# Altium PCB 3LUN_v1.0.PcbDoc (part 2 of 2)
Units mil, origin at the board's own origin, x right, y up, seen from the top; angles counter-clockwise.
Board outline 3940 x 1580 mil, 2 copper layers (Top Layer, Bottom Layer); 129 components, 109 nets, 549 pads, 348 vias.
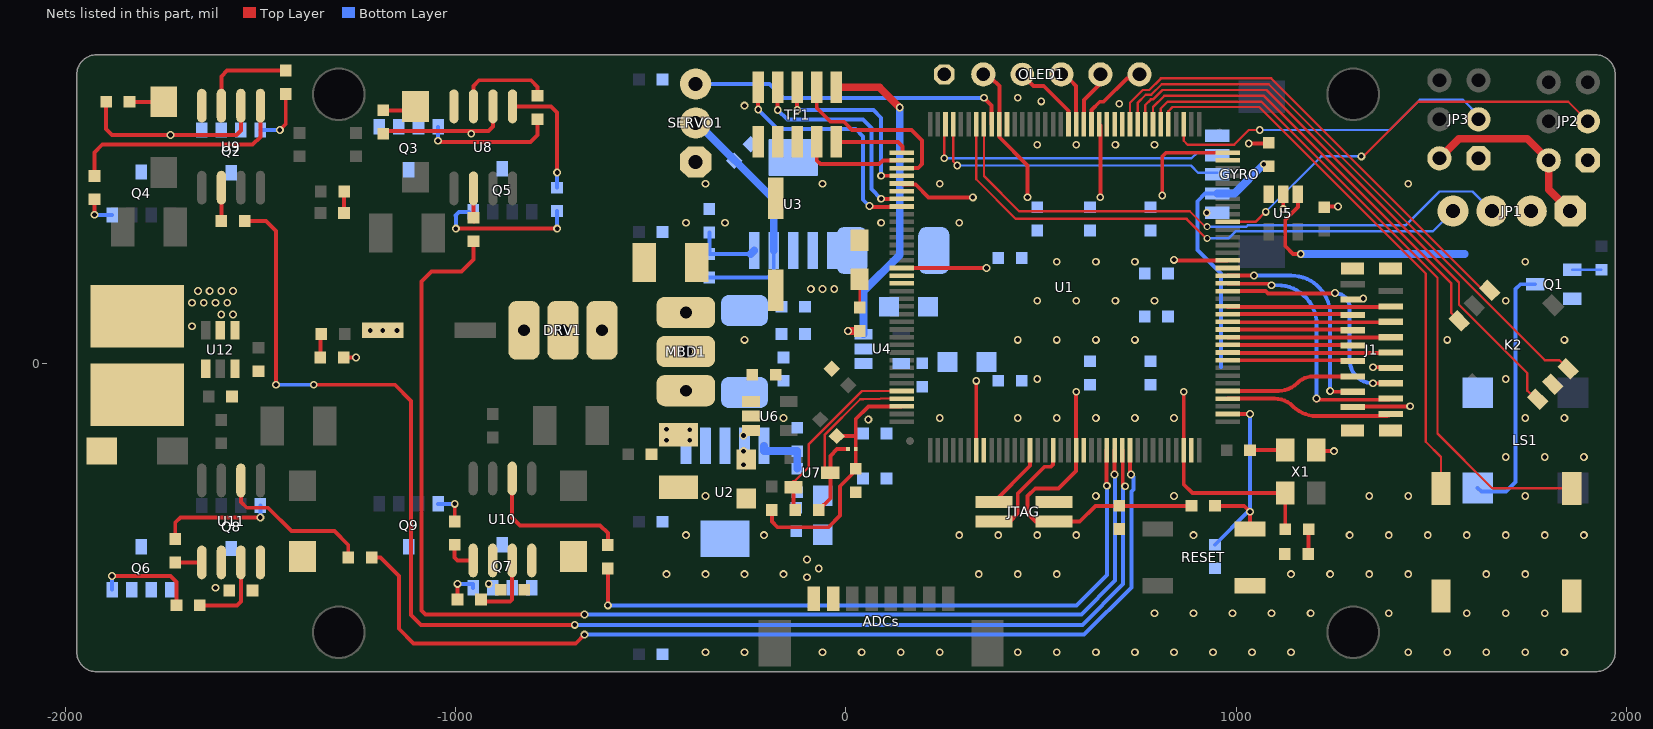
[diagram p2: the nets of this part, all layers, seen from the top]

## Via types
v1: diameter 20, hole 12, Top Layer to Bottom Layer, 344 vias
v2: diameter 18, hole 12, Top Layer to Bottom Layer, 2 vias
v3: diameter 31.5, hole 31.5, Top Layer to Bottom Layer, 1 vias
v4: diameter 43.31, hole 43.31, Top Layer to Bottom Layer, 1 vias

## Nets (pads, with @x,y where several pads share a name; then routed paths per layer and width w, separated by ;. In a path a pad name is that pad's centre, name@x,y a point inside that pad or via, vN(x,y) a via of type N, cw(c..) or ccw(c..) an arc to the next point about the centre after c; other vN are vias at no path point) (continued)
GND: ADCs.2 C3.1 C4.1 C5.1 C6.1 C7.1 C8.1 C9.1 C10.1 C11.1 C12.2 C13.2 C14.2 C20.2 C21.2 C22.1 C23.1 C24.1 C25.1 C26.1 C29.1 C30.2 C31.1 C32.1 C33.1 C34.1 C36.1 C38.1 C39.1 C40.1 C42.1 C43.1 Designator111.1 Designator112.1 Designator113.1 Designator114.1 Designator115.1 GYRO.1 GYRO.5 J1.0 J1.2 J1.7 J1.16 JP1.2 JP2.1 JP3.1 JTAG.3 K2.5 K3.2 K4.2 MCU1.2 OLED1.1 PWR_SERVO1.2 Q1.2 R5.2 R7.2 R14.2 RESET.1 SERVO1.1 TF1.1 TF1.3 TF1.5 U1.6@142.68,440.94 U1.17 U1.18 U1.44 U1.57 U1.71 U1.93 U1.107 U1.121 U1.134 U2.3 U2.6 U3.3 U3.6 U4.2 U5.2 U6.2 X1.2 | length 373
  Top Layer w10: v1(1031.83,562.83) 1075.07,562.83 1077.9,560 C36.1@1082.9,565 ; v1(1120,395) U5.2@1120,433.23 ; X1.2@1205,-222.44 1205,-224.94 v1(1250,-224.94) ; C38.1@1225,400 1225,401.57 v1(1260,401.57) ; J1.2@1297.76,-112.28 1297.76,-111.05 1445,-111.05 v1(1445,-110) ; v1(1350,-10) 1395,-10 J1.7@1395,-11.81
  other v1: -360,-740 -260,-740 -60,-740 40,-740 140,-740 240,-740 440,-740 540,-740 640,-740 740,-740 840,-740 940,-740 1040,-740 1140,-740 1440,-740 1540,-740 1640,-740 1740,-740 1840,-740 790,-640 890,-640 990,-640 1090,-640 1190,-640 1390,-640 1590,-640 1690,-640 1790,-640 -460,-540 -360,-540 -260,-540 -160,-540 340,-540 440,-540 540,-540 1140,-540 1240,-540 1340,-540 1440,-540 1640,-540 1740,-540 -410,-440 -210,-440 290,-440 390,-440 490,-440 590,-440 890,-440 1290,-440 1390,-440 1490,-440 1590,-440 1690,-440 1790,-440 1890,-440 -360,-340 640,-340 840,-340 1340,-340 1440,-340 1740,-340 1690,-240 1790,-240 1890,-240 57.29,-143.79 -160,-140 240,-140 440,-140 540,-140 640,-140 740,-140 840,-140 1740,-140 1840,-140 490,-40 1690,-40 -260,60 440,60 540,60 640,60 740,60 1540,60 1840,60 490,160 590,160 690,160 790,160 1690,160 1325,165.98 540,260 640,260 740,260 1740,260 -410,360 -310,360 90,360 290,360 924,385.79 -360,460 -60,460 240,460 1440,460 490,560 590,560 690,560 790,560 -260,660 699.93,665 500,670.92 440,680
GYRO_SCL: GYRO.2 U1.142 | length 795.6
  Top Layer w6: v1(251.73,525) 251.73,609.06 U1.142@254.88,612.2
  Bottom Layer w6: v1(251.73,525) 252.34,525.61 292.87,525.61 293.48,525 885,525 900,540 947.72,540 GYRO.2@950.83,536.89
GYRO_SDA: GYRO.3 U1.141 | length 783.6
  Top Layer w6: U1.141@274.57,612.2 274.57,517.04 v1(285,506.61)
  Bottom Layer w6: v1(285,506.61) 883.39,506.61 902.32,487.68 GYRO.3@950.83,487.68
HREF: J1.5 U1.90 | length 610.1
  Top Layer w10: U1.90@977.32,185.04 1075.14,185.04 1081.3,178.88 1251.33,178.88 v1(1252.33,179.88) ; v1(1350,-51.18) J1.5@1395,-51.18
  Bottom Layer w10: v1@1252.33,180.24 v1(1252.33,179.88) cw(c1252.33,142.21) 1290,142.21 1290,8.82 ccw(c1350,8.82) v1(1350,-51.18)
KEY1: K3.1 U1.113 | length 1440.3
  Top Layer w6: U1.113@825.75,612.2 825.75,645.75 836.38,656.38 1058.62,656.38 1485,230 1485,-201.14 1523.86,-240 K3.1@1523.86,-320.43
KEY2: K4.1 U1.114 | length 1744.6
  Top Layer w6: U1.114@806.06,612.2 806.06,652.76 823.31,670 1064.26,670 1515,219.26 1515,-180 1655.43,-320.43 K4.1@1858.86,-320.43
KEY3: K2.3 U1.115 | length 1123.6
  Top Layer w6: U1.115@786.38,612.2 786.38,656.38 815,685 1070.48,685 1550,205.48 1550,129.3 K2.3@1570.62,108.68
KEY4: K2.4 U1.116 | length 1457.8
  Top Layer w6: U1.116@766.69,612.2 766.69,661.69 781,676 786.51,676 810.51,700 1076.69,700 1570,206.69 1570,150 1745,-25 1745,-70 1767.14,-92.14 K2.4@1771.43,-92.14
KEY5: K2.6 U1.117 | length 1479.1
  Top Layer w6: U1.117@747.01,612.2 747.01,667.01 768,688 781.54,688 808.54,715 1082.9,715 1790.03,7.87 1827.32,7.87 K2.6@1849.38,-14.19
KEY6: K2.1 U1.118 | length 1216.5
  Top Layer w6: U1.118@727.32,612.2 727.32,667.32 760,700 776.57,700 806.45,729.88 1089.07,729.88 K2.1@1636.16,182.79
M_L+: C60.1 Q7.1 Q7.2 Q7.3 Q9.5 U10.6
  other v1: -915,-565
M_L-: C61.1 Q6.1 Q6.2 Q6.3 Q8.5 U11.6
  other v1: -1615,-575
M_R+: C54.1 Q3.1 Q3.2 Q3.3 Q5.5 U8.6 | length 352.1
  Top Layer w10: C54.1@-1185.12,587.99 -1178.11,595 -967.01,595 v1(-960,587.99) -960,593.43 -961.57,595 -915.88,595 -904.21,606.67 U8.6@-904.21,657.99
M_R-: C55.1 Q2.1 Q2.2 Q2.3 Q4.5 U9.6 | length 489.5
  Top Layer w10: C55.1@-1895,669.7 -1895,600 -1880,585 v1(-1730,585) -1560.88,585 -1550,595.88 U9.6@-1550,660
MCU_PWR: C3.2 C4.2 C5.2 C6.2 C7.2 C8.2 C9.2 C10.2 C11.2 C30.1 FB1.2 JTAG.1 OLED1.2 R4.1 R11.2 U1.5 U1.16 U1.43 U1.56 U1.70 U1.94 U1.108 U1.122 U1.135 X1.4 | length 2973.9
  Top Layer w10: U1.16@142.68,244.09 v1(360,244.09) ; U1.5@142.68,460.63 145.46,457.85 178.73,457.85 211.58,425 v1(325,425) ; U1.43@333.62,-222.44 v1(333.62,-45) ; OLED1.2@372.99,730 392.68,710.31 U1.135@392.68,612.2 392.68,578.93 465,506.61 v1(465,425.37) ; v1(590,-72.91) 589.53,-73.39 U1.56@589.53,-222.44 589.53,-275.43 544.53,-320.43 484.69,-320.43 465,-340.12 465,-385.12 485,-405.12 JTAG.1@532.32,-405.12 598.78,-405.12 638.9,-365 R11.2@885,-365 ; U1.122@648.58,612.2 651.36,609.43 v1(651.36,425.37) ; v1(810,430) 810,530 819.37,539.37 U1.108@977.32,539.37 ; v1@840,263.78 U1.94@977.32,263.78 ; v1(865,-72.91) 865.12,-73.03 U1.70@865.12,-222.44 865.12,-310 887.56,-332.44 X1.4@1125,-332.44 R4.1@1125,-425
  other v1: 840,265
MCU_PWR_BUS_3.3: C33.2 C34.2 FB1.1 U4.5
NetC54_2: C54.2 D1.2 U8.8 | length 92.3
  Top Layer w10: C54.2@-1185.12,647.99 -1102.5,647.99 D1.2@-1102.5,657.69
NetC55_2: C55.2 D2.2 U9.8 | length 87.5
  Top Layer w10: C55.2@-1835,669.7 D2.2@-1747.5,669.7
NetC60_2: C60.2 D3.2 U10.8
NetC61_2: C61.2 D4.2 U11.8
NetD5_1: D5.1 L1.2 U12.1
NetD6_1: D6.1 R30.1 | length 56
  Top Layer w10: D6.1@-1286,385 -1286,440 R30.1@-1285,440
NetD7_1: D7.1 R31.1 | length 62.4
  Top Layer w10: R31.1@-1346.4,15 -1346.4,75 D7.1@-1344,75
NetLS1_2: LS1.2 Q1.3 | length 660.7
  Bottom Layer w10: LS1.2@1617.95,-319.21 1627.44,-328.7 1690,-328.7 1715,-303.7 1715,190 1727.4,202.4 Q1.3@1765.51,202.4
NetMCU1_1: MCU1.1 R4.2 | length 65.6
  Top Layer w10: R4.2@1185,-425 1185,-488.6 MCU1.1@1186.4,-490
NetPWR_SERVO1_1: PWR_SERVO1.1 R9.2 | length 72
  Top Layer w6: R9.2@35,142.99 PWR_SERVO1.1@35,215
NetQ1_1: Q1.1 R15.2 | length 75.1
  Bottom Layer w6: Q1.1@1860,239.8 1934.8,239.8 R15.2@1935,240
NetQ2_4: Q2.4 R17.2 | length 148.5
  Top Layer w10: v1(-1450,597.72) -1435,612.72 R17.2@-1435,690
  Bottom Layer w10: Q2.4@-1500,597.72 v1(-1450,597.72)
NetQ3_4: Q3.4 R16.2 | length 329.4
  Top Layer w10: v1(-1045,570) -1041.99,566.99 -808.01,566.99 -790,585 R16.2@-790,615
  Bottom Layer w10: v1(-1045,570) Q3.4@-1045,605.71
NetQ4_4: Q4.4 R21.2 | length 84.8
  Top Layer w10: v1(-1925,380.39) R21.2@-1925,420
  Bottom Layer w10: v1(-1925,380.39) -1924.57,379.96 Q4.4@-1880,379.96
NetQ5_4: Q5.4 R20.2 | length 377.3
  Top Layer w10: v1(-999.25,345) v1(-740,345)
  Bottom Layer w10: v1(-999.25,345) -999.25,378.29 -1000,379.04 -991.08,387.95 Q5.4@-965,387.95 ; v1(-740,345) R20.2@-740,390
NetQ6_4: Q6.4 R23.2 | length 266.3
  Top Layer w10: v1(-1880,-545) -1730,-545 -1715,-560 R23.2@-1715,-620
  Bottom Layer w10: Q6.4@-1880,-580.04 v1(-1880,-545)
NetQ7_4: Q7.4 R22.2 | length 90
  Top Layer w10: R22.2@-995,-605 v1(-995,-565)
  Bottom Layer w10: v1(-995,-565) -955,-565 Q7.4@-955,-575.04
NetQ8_4: Q8.4 R27.2 | length 293.4
  Top Layer w10: R27.2@-1718,-450 -1718,-408 -1705,-395 v1@-1502.79,-395
  Bottom Layer w10: v1(-1500,-395) Q8.4@-1500,-364.21
NetQ9_4: Q9.4 R26.2 | length 90
  Top Layer w10: v1@-1004.21,-360 v1(-1002.17,-360) -1002.17,-404.67 R26.2@-1002.5,-405
  Bottom Layer w10: Q9.4@-1045,-359.96 v1(-1002.17,-360)
NetR1_1: R1.1 X1.3 | length 90
  Top Layer w10: R1.1@1035,-222.44 X1.3@1125,-222.44
NetR5_1: R5.1 R6.1 U2.5 | length 143.8
  Bottom Layer w20: U2.5@-210,-211.18 -210,-225 R5.1@-125,-225 R6.1@-125,-270
NetR7_1: R7.1 R8.1 U3.5 | length 173.7
  Bottom Layer w10: R7.1@-350,335 R8.1@-350,280 U3.5@-243.86,280
  Bottom Layer w20: U3.5@-243.86,280 U3.5@-235,288.86
NetR16_1: R16.1 U8.7 | length 252.9
  Top Layer w10: U8.7@-954.21,657.99 -954.21,710.79 -940,725 -807.01,725 -790,707.99 R16.1@-790,685
NetR17_1: R17.1 U9.7 | length 226.2
  Top Layer w10: U9.7@-1600,680 -1600,735 -1585,750 R17.1@-1435,750
NetR18_2: R18.2 U8.2 | length 85.7
  Top Layer w10: U8.2@-954.21,447.99 R18.2@-954.21,372.52 -954.21,364.7 R18.2@-952.5,362.99
NetR19_2: R19.2 U9.2 | length 85.3
  Top Layer w10: R19.2@-1600,364.7 U9.2@-1600,450
NetR20_1: R20.1 U8.5 | length 312.9
  Top Layer w10: U8.5@-854.21,657.99 -755.85,657.99 -740,642.14 v1(-740,488.6)
  Bottom Layer w10: R20.1@-740,450 v1(-740,488.6)
NetR21_1: R21.1 U9.5 | length 581.6
  Top Layer w10: R21.1@-1925,480 -1925,540 -1905,560 -1520,560 -1500,580 U9.5@-1500,660
NetR22_1: R22.1 U10.7 | length 184.1
  Top Layer w10: R22.1@-935,-605 -930,-610 -860,-610 -855,-605 U10.7@-855,-505
NetR23_1: R23.1 U11.7 | length 209.1
  Top Layer w10: R23.1@-1655,-620 -1560,-620 -1550,-610 U11.7@-1550,-510
NetR24_2: R24.2 U10.2 | length 392
  Top Layer w10: U10.2@-855,-295 -855,-395 -835,-415 -630,-415 -610,-435 R24.2@-610,-465.41
NetR25_2: R25.2 U11.2 | length 408.1
  Top Layer w10: U11.2@-1550,-300 -1550,-355 -1535,-370 -1480,-370 -1420,-430 -1310,-430 -1275,-465 R25.2@-1275,-497.5
NetR26_1: R26.1 U10.5 | length 83.1
  Top Layer w10: R26.1@-1002.5,-465 -1002.5,-497.5 -995,-505 U10.5@-955,-505
NetR27_1: R27.1 U11.5 | length 68
  Top Layer w10: R27.1@-1718,-510 U11.5@-1650,-510
NetR28_1: R28.1 R29.2 U12.3
OLED_DC: OLED1.6 U1.123 | length 191.2
  Top Layer w10: U1.123@628.9,612.2 628.9,648.9 650,670 660,670 719.88,729.88 OLED1.6@749.88,729.88
OLED_RST: OLED1.5 U1.124 | length 140.7
  Top Layer w10: U1.124@609.21,612.2 609.21,674.21 OLED1.5@664.88,729.88
OLED_SCL: OLED1.3 U1.126 | length 192.3
  Top Layer w10: OLED1.3@451.73,740 451.73,738.27 480,710 506.62,710 569.84,646.78 U1.126@569.84,612.2
OLED_SDA: OLED1.4 U1.125 | length 118.8
  Top Layer w10: OLED1.4@575,725 589.53,710.47 U1.125@589.53,612.2
PLCK: J1.1 U1.76 | length 431
  Top Layer w10: U1.76@977.32,-90.55 1097.76,-90.55 cw(c1097.76,-157.36) 1145,-110.12 ccw(c1205.36,-49.76) 1205.36,-135.12 1382.45,-135.12 ccw(c1382.45,-117.38) J1.1@1395,-129.92
PULSE_1: JP2.3 U1.99 | length 1070.9
  Top Layer w6: U1.99@977.32,362.2 1049.07,362.2 1074.82,387.95 v1(1075,387.95) ; v1(1320,530) 1325,530 1465,670 1849.88,670 JP2.3@1900,619.88
  Bottom Layer w6: v1(1075,387.95) 1217.05,530 v1(1320,530)
PULSE_2: JP3.3 U1.111 | length 876.1
  Top Layer w6: U1.111@865.12,612.2 865.12,569.88 875,560 877.58,560 877.58,559.71 988,559.71 988,560 994.12,560 1031.83,597.72 v1(1060,597.72)
  Bottom Layer w6: v1(1060,597.72) 1392.72,597.72 1470,675 1580,675 1620,635 JP3.3@1620,625
PWM1: R24.1 U1.60 | length 1727.2
  Top Layer w10: v1(-610,-620) R24.1@-610,-525.41 ; v1(668.27,-313.6) 666.95,-313.6 666.95,-222.44 U1.60@668.27,-222.44
  Bottom Layer w10: v1(-610,-620) 590,-620 668.27,-541.73 v1(668.27,-313.6)
PWM2: R18.1 U1.61 | length 3197.4
  Top Layer w10: R18.1@-954.21,312.52 -954.21,265.79 -985,235 -1062.21,235 -1087.21,210 -1087.21,-633.25 -1077.2,-643.27 v1(-670,-643.27) ; v1(687.95,-285) U1.61@687.95,-222.44
  Bottom Layer w10: v1(-670,-643.27) 602.71,-643.27 689.27,-556.71 689.27,-286.32 v1(687.95,-285)
PWM3: R19.1 U1.62 | length 3625.5
  Top Layer w10: R19.1@-1540,364.7 -1485.58,364.7 -1460,339.12 v1(-1460,-55) ; v1(-1363.17,-55) -1155,-55 -1113.94,-96.06 -1113.94,-644.33 -1088.27,-670 v1(-695,-670) ; U1.62@707.64,-222.44 708.95,-222.44 708.95,-313.6 710.36,-315 v1(715,-315)
  Bottom Layer w10: v1(-1460,-55) v1(-1363.17,-55) ; v1(-695,-670) 605.3,-670 710,-565.3 710,-320 v1(715,-315)
PWM4: R25.1 U1.63 | length 2532.6
  Top Layer w10: R25.1@-1215,-497.5 -1192.5,-497.5 -1145,-545 -1145,-680 -1107.84,-717.16 -692.16,-717.16 v1(-670,-695) ; U1.63@727.32,-222.44 727.32,-282.32 v1(730,-285)
  Bottom Layer w10: v1(-670,-695) 610,-695 731,-574 731,-328.7 736,-323.7 736,-291 v1(730,-285)
PWR_BUS_5: ADCs.1 C24.2 C25.2 C31.2 C32.2 C36.2 C39.2 C40.2 GYRO.4 JP1.1 JP2.2 JP3.2 LS1.1 R6.2 R9.1 TF1.10 U2.4 U4.1 U4.3 U5.1 U5.3 U6.1 U6.3 | length 2583.3
  Top Layer w10: U5.1@1157.4,433.23 1157.4,399.92 1125,367.52 1125,300 1145,280 v1(1165,280)
  Top Layer w20: TF1.10@-25,707.06 85.44,707.06 v1(137.5,655) ; v1(5,82.99) R9.1@35,82.99 ; JP3.2@1520,525 1570,575 1744.88,575 JP2.2@1800,519.88 1800,445 JP1.1@1855,390
  Bottom Layer w10: GYRO.4@950.83,435 920,435 900,415 900,290.39 960,230.39 960,-10
  Bottom Layer w20: U4.3@45,74.38 45,185 137.5,277.5 v1(137.5,655) ; GYRO.4@950.83,435 995,435 v1(1070,510) ; v1(1165,280) 1585,280
  other v1: -100,-547.74 -70,-525.41 -100,-502.5 -262.5,-260 -262.5,-224.94 -262.5,-185
PWR_BUS_6: C29.2 R8.2 SERVO1.2 U3.4 | length 637.3
  Bottom Layer w10: R8.2@-350,220 -200,220 -185,235 U3.4@-185,288.86
  Bottom Layer w20: SERVO1.2@-385,615.73 -380.73,615.73 -185,420 U3.4@-185,288.86
RESET: C43.2 R11.1 RESET.2 U1.74 | length 573.4
  Top Layer w10: R11.1@945,-365 1020,-365 v1(1035,-380) 1035,-424.25 RESET.2@1034.92,-424.33 ; U1.74@977.32,-129.92 1034.92,-129.92 v1(1035,-130)
  Bottom Layer w10: C43.2@945,-464.7 1029.7,-380 v1(1035,-380) v1(1035,-130)
SCL: J1.3 U1.91 | length 673.5
  Top Layer w10: U1.91@977.32,204.72 978.17,203.88 1086,203.88 v1(1090,199.88) ; v1(1205.36,-89.94) 1205.36,-94.76 1205,-95.12 cw(c1209.12,-99.24) 1209.12,-93.41 1388.1,-93.41 ccw(c1388.1,-83.65) J1.3@1395,-90.55
  Bottom Layer w10: v1(1090,199.88) 1105.36,199.88 cw(c1105.36,99.88) 1205.36,99.88 v1(1205.36,-89.94)
SDA: J1.4 U1.92 | length 574.3
  Top Layer w10: U1.92@977.32,224.41 977.32,224.88 v1(1045,224.88) ; v1(1240,-70.87) ccw(c1244.94,-65.92) 1244.94,-72.91 J1.4@1297.76,-72.91
  Bottom Layer w10: v1(1045,224.88) 1140,224.88 cw(c1140,124.88) 1240,124.88 v1(1240,-70.87)
SEVRO: SERVO1.3 U1.136 | length 829.1
  Top Layer w10: v1(353.31,680) 372.99,660.31 U1.136@372.99,612.2
  Bottom Layer w10: SERVO1.3@-385,715.73 -195.73,715.73 -160,680 v1(353.31,680)
TCK: JTAG.4 U1.50 | length 171
  Top Layer w10: JTAG.4@378.78,-355.12 471.42,-262.48 U1.50@471.42,-222.44
TF_CS: TF1.4 U1.7@142.68,421.26 | length 561.9
  Top Layer w10: v1(-175,648.9) TF1.4@-175,707.06 ; v1(90,421.26) U1.7@142.68,421.26
  Bottom Layer w10: v1(-175,648.9) -150.08,623.98 43.98,623.98 65,602.95 65,446.26 v1(90,421.26)
TF_DI: TF1.6 U1.4 | length 482.7
  Top Layer w10: v1(-125,648.9) TF1.6@-125,707.06 ; v1(90,480.32) U1.4@142.68,480.32
  Bottom Layer w10: v1(-125,648.9) 70,648.9 90,628.9 v1(90,480.32)
TF_DO: TF1.7 U1.2 | length 273.2
  Top Layer w10: TF1.7@-75,567.3 -75,519.82 -65.18,510 85,510 94.69,519.69 U1.2@142.68,519.69
TF_RSV1: TF1.2 U1.8 | length 623.6
  Top Layer w10: v1(-225,650) TF1.2@-225,707.06 ; v1(60,402.99) 62.73,400.26 141.36,400.26 U1.8@142.68,401.57
  Bottom Layer w10: v1(-225,650) -175,600 25,600 43.98,581.02 43.98,419.02 v1(60,402.99)
TF_RSV2: TF1.9 U1.1 | length 191.7
  Top Layer w10: TF1.9@-25,567.3 132.7,567.3 145,555 145,541.69 U1.1@142.68,539.37
TF_SCLK: TF1.8 U1.3 | length 474.7
  Top Layer w10: TF1.8@-75,707.06 -75,653.79 -39.86,618.65 -5.48,618.65 15.45,597.72 167.72,597.72 195,570.43 195,510 185,500 U1.3@142.68,500
TMS: JTAG.2 U1.53 | length 279.2
  Top Layer w10: JTAG.2@378.78,-405.12 420,-405.12 440,-385.12 440,-333.79 508.85,-264.94 525.18,-264.94 530.47,-259.65 U1.53@530.47,-222.44
UART4_RX: U1.119
UART4_TX: U1.120
UART5_RX: JP1.4 U1.138 | length 1453.9
  Top Layer w6: U1.138@333.62,612.2 333.62,471.38 435,370 872.52,370 922.52,320 v2(925,320)
  Bottom Layer w6: v2(925,320) 980,320 998,338 1503,338 JP1.4@1555,390
UART5_TX: JP1.3 U1.137 | length 1546
  Top Layer w6: U1.137@353.31,612.2 353.31,479.53 443.15,389.68 880.67,389.68 920.36,350 v2(925,350)
  Bottom Layer w6: v2(925,350) 1026,350 1030,354 1434,354 1520,440 1605,440 JP1.3@1655,390
VBAT: C14.1 DRV1.1 DRV1.2 MBD1.1 MBD1.2
VBRIDGE: C65.1 DRV1.3 L1.1 Q2.5 Q3.5 Q6.5 Q7.5 R31.2 U12.4 U12.5 | length 31.4
  Top Layer w10: R31.2@-1286.4,15 v1(-1255,15)
  other v1: -1218.96,84.21 -1186.17,84.21 -1150,84.21 -1675,95 -1600,125 -1570,125 -1675,155 -1645,155 -1615,155 -1585,155 -1660,185 -1630,185 -1600,185 -1570,185
VIN: C12.1 C13.1 C20.1 C21.1 C22.2 C23.2 C26.2 MBD1.3 U2.1 U2.2 U3.1 U3.2
  other v1: -460,-196.91 -400,-197.17 -400,-170 -460,-169.29 -90,190.49 -60,190.49 -30,190.49
VREFH: C18.2 U1.32 U7.2 | length 481.1
  Top Layer w6: U7.2@-134.49,-304.49 -95,-265 -95,-206.51 40.65,-70.87 U1.32@142.68,-70.87
  Top Layer w10: U7.2@-134.49,-304.49 U7.2@-134.49,-317.4 -134.49,-371.09 C18.2@-130,-375.58
VREFL: C18.1 NT1.1 U1.33 U7.3 | length 534.8
  Top Layer w6: U7.3@-40,-280 -44.4,-275.6 -54,-275.6 -54,-182.49 36.35,-92.14 45,-92.14 U1.33@129.93,-89.7 ; U7.3@-36.21,-278.79 U7.3@-35,-280
  Top Layer w10: C18.1@-70,-375.58 -40,-345.58 U7.3@-40,-280 -40,-237.44 -22.56,-220 NT1.1@5,-220
VSSA: C16.1 C17.1 NT1.2 R14.1 U1.34 | length 668.6
  Top Layer w10: C16.1@-190,-375.58 -190,-405 -175,-420 -44.88,-420 -15,-390.12 -15,-315 25,-275 R14.1@25,-270 NT1.2@25,-220 25,-190 ; C17.1@-23.79,-186.21 21.21,-186.21 25,-190 ; U1.34@142.68,-110.24 57.29,-110.24 25,-142.52 25,-190
VSYN: J1.6 U1.77 | length 330.4
  Top Layer w10: U1.77@977.32,-70.87 1107.48,-70.87 ccw(c1107.48,-3.66) 1155,-51.18 cw(c1197.58,-93.76) 1197.58,-33.54 J1.6@1297.76,-33.54
Y0: J1.8 U1.81 | length 321.3
  Top Layer w10: U1.81@977.32,7.87 1295.71,7.87 J1.8@1297.76,5.83
Y1: J1.9 U1.82 | length 419.4
  Top Layer w10: U1.82@977.32,27.56 978.56,26.32 1395,26.32 J1.9@1395,27.56
Y2: J1.10 U1.83 | length 321.3
  Top Layer w10: U1.83@977.32,47.24 1295.71,47.24 J1.10@1297.76,45.2
Y3: J1.11 U1.84 | length 419.4
  Top Layer w10: U1.84@977.32,66.93 978.56,65.69 1395,65.69 J1.11@1395,66.93
Y4: J1.12 U1.85 | length 321.3
  Top Layer w10: U1.85@977.32,86.61 1295.71,86.61 J1.12@1297.76,84.57
Y5: J1.13 U1.86 | length 419.4
  Top Layer w10: U1.86@977.32,106.3 977.32,105.06 1393.76,105.06 J1.13@1395,106.3
Y6: J1.14 U1.87 | length 321.3
  Top Layer w10: U1.87@977.32,125.98 1295.71,125.98 J1.14@1297.76,123.94
Y7: J1.15 U1.88 | length 419.4
  Top Layer w10: U1.88@977.32,145.67 977.32,144.43 1393.76,144.43 J1.15@1395,145.67
pads on no net: ADCs.MP1 ADCs.MP2 GYRO.MP1 GYRO.MP2 JP2.5 JP2.6 JP3.5 JP3.6 K2.0 K2.2 LS1.3 LS1.4 RESET.3 RESET.4 U1.6@957,590.88 U1.7@164,-199.12 U1.9 U1.10 U1.11 U1.12 U1.13 U1.14 U1.15 U1.19 U1.20 U1.21 U1.22 U1.23 U1.24 U1.25 U1.26 U1.27 U1.29 U1.30 U1.37 U1.38 U1.40 U1.41 U1.42 U1.47 U1.48 U1.49 U1.51 U1.52 U1.54 U1.55 U1.58 U1.59 U1.64 U1.65 U1.66 U1.67 U1.68 U1.69 U1.73 U1.75 U1.78 U1.79 U1.80 U1.89 U1.95 U1.96 U1.97 U1.98 U1.102 U1.103 U1.104 U1.105 U1.106 U1.109 U1.112 U1.127 U1.128 U1.129 U1.130 U1.131 U1.132 U1.133 U1.139 U1.140 U1.143 U1.144 U4.4 U5.4 U6.4 U12.6 X1.1
copper on no net:
  other v3: 1763.12,100.36
  other v4: 1657.33,-5.43

## Polygon pours and split planes (outlines as drawn)
GND on Top Layer "Top Layer-GND" (solid, remove dead copper, pour order 114): -470,810 -465,805 2040,805 2040,-740 1940,-840 -545,-840
VIN on Top Layer "Top Layer-VIN" (solid, pour order 112): -205,255 -205,125.98 -15,125.98 -15,254.97
PWR_BUS_5 on Top Layer "Top Layer-PWR_BUS_5" (solid, pour order 110): -60,-490 -60,-638.84 -110,-638.84 -110,-490
PWR_BUS_5 on Top Layer "Top Layer-PWR_BUS_5 1" (solid, pour order 104): 1060,530 1060,405 1100,405 1100,470 1140,470 1140,405 1180,405 1180,530
CMOS_PWR_BUS on Top Layer "Top Layer-CMOS_PWR_BUS" (solid, pour order 82): 1140,360 1252.33,360 1252.33,219.26 1435,219.26 1435,170 1345,170 1345,186.63 1205,186.63 1205,305 1140,305
PWR_BUS_5 on Top Layer "Top Layer-PWR_BUS_5 2" (solid, pour order 100): -215,-3.74 -215,-117.17 -275,-117.17 -275,-150 -215,-150 -215,-285 -300,-285 -300,-3.74
AGND on Top Layer "Top Layer-AGND" (solid, remove dead copper, pour order 78): -525,790 -525,-790 -1970,-790 -1970,790
VBAT on Top Layer "Top Layer-VBAT" (solid, pour order 76): -772.5,-20 -320,-20 -320,180 -450,180 -450,790 -600,790 -600,180 -772.5,180
12V on Top Layer "Top Layer-12V" (solid, pour order 72): -1530,550 -1530,502.99 -1435,502.99 -1435,549.61
12V on Top Layer "Top Layer-12V 1" (solid, pour order 70): -820,-165 -820,-95 -725,-95 -725,-254.18 -565,-254.18 -565,-385 -825,-385 -825,-245 -880,-245 -880,-350 -927.5,-350 -927.5,-165
AGND on Top Layer "Top Layer-AGND 1" (solid, pour order 68): -1680,-250 -1680,-379.71 -1625,-379.71 -1625,-250
12V on Top Layer "Top Layer-12V 2" (solid, pour order 66): -1610,-65 -1610,-112.72 -1620,-112.72 -1620,-165 -1520,-165 -1520,-100 -1400,-100 -1400,-265 -1345,-265 -1345,-362.48 -1440,-362.48 -1440,-254.18 -1480,-254.18 -1480,-350 -1525,-350 -1525,-245 -1567.5,-245 -1567.5,-350 -1620,-350 -1620,-191.56 -1665,-191.56 -1665,-65
12V on Top Layer "Top Layer-12V 3" (solid, pour order 64): -1440,323.33 -1440,550 -1085,550 -1085,500 -1400,500 -1400,314.44
12V on Top Layer "Top Layer-12V 4" (solid, pour order 62): -1440,330 -1400,330 -1400,-112.28 -1440,-112.28
12V on Top Layer "Top Layer-12V 5" (solid, pour order 54): -1690,-254.18 -1690,-365 -1905,-365 -1905,-735 -1445,-735 -1445,-560 -1165,-560 -1165,-735 -570,-735 -570,-379.71 -670,-379.71 -670,-332.44 -525,-332.44 -525,-775 -1210,-775 -1210,-600 -1400,-600 -1400,-775 -1945,-775 -1945,-320 -1730,-320 -1730,-250
12V on Top Layer "Top Layer-12V 6" (solid, pour order 52): -1690,-191.56 -1615,-191.56 -1615,-245 -1690,-245
VBRIDGE on Top Layer "Top Layer-VBRIDGE" (solid, pour order 50): -1955,220 -1545,220 -1545,55 -1955,55
no net on Top Layer "Top Layer-No Net" (solid, pour order 48): -1960,210
NetD5_1 on Top Layer "Top Layer-NetD5_1" (solid, pour order 46): -1625,15 -1625,-53.17 -1680,-53.17 -1680,-172.28 -1845,-172.28 -1845,-270 -1955,-270 -1955,15
NetR28_1 on Top Layer "Top Layer-NetR28_1" (solid, pour order 44): -1580,7.87 -1580,-70 -1585,-70 -1585,-100 -1555,-100 -1555,-51.18 -1485.58,-51.18 -1485.58,7.87
NetC60_2 on Top Layer "Top Layer-NetC60_2" (solid, pour order 32): -830,-445 -645,-445 -645,-545.82 -780,-545.82 -780,-600 -845,-600 -845,-550 -830,-550
NetC61_2 on Top Layer "Top Layer-NetC61_2" (solid, pour order 30): -1520,-450 -1345,-450 -1345,-545.82 -1470,-545.82 -1470,-605 -1540,-605 -1540,-552.22 -1520,-552.22
M_L- on Top Layer "Top Layer-M_L-" (solid, pour order 28): -1620,-460 -1575,-460 -1575,-565 -1560,-565 -1560,-599.05 -1630,-599.05 -1630,-560 -1620,-560
M_L+ on Top Layer "Top Layer-M_L+" (solid, pour order 26): -920,-460 -920,-545 -935,-545 -935,-585 -910,-585 -910,-600 -865,-600 -865,-550 -880,-550 -880,-460
12V on Top Layer "Top Layer-12V 7" (solid, pour order 12): -1145,425 -1095,425 -1095,270 -1020,270 -1020,401.57 -985,401.57 -985,488.6 -975,488.6 -975,550 -1145,550
12V on Top Layer "Top Layer-12V 8" (solid, pour order 10): -980,502.99 -925,502.99 -925,402.99 -885,402.99 -885,527.99 -990,527.99
NetC54_2 on Top Layer "Top Layer-NetC54_2" (solid, pour order 6): -985,707.99 -1135,707.99 -1135,612.99 -985,612.99
12V on Top Layer "Top Layer-12V 9" (solid, pour order 4): -1635,515 -1570,515 -1570,400 -1530,400 -1530,540 -1645,540
12V on Top Layer "Top Layer-12V 10" (solid, pour order 2): -1630,540 -1630,275 -1790,275 -1790,540
NetC55_2 on Top Layer "Top Layer-NetC55_2" (solid, pour order 0): -1635,720 -1635,612.72 -1780,612.72 -1780,720
GND on Bottom Layer "Bottom Layer-GND" (solid, remove dead copper, pour order 116): -530,840 -530,-875 -525,-880 -475,-830 2055,-830 2055,760 2000,815
PWR_BUS_5 on Bottom Layer "Bottom Layer-PWR_BUS_5" (solid, pour order 108): -4.8,-350 -4.8,-490 -115,-490 -115,-604.71 -50,-604.71 -50,-532.21 50,-532.21 50,-350
no net on Bottom Layer "Bottom Layer-No Net" (solid, pour order 106): -175,-350
PWR_BUS_5 on Bottom Layer "Bottom Layer-PWR_BUS_5 1" (solid, pour order 102): 45,-215 920,-215 920,-0.43 1170,-0.43 1170,-145 1565,-145 1565,335 1805,335 1805,435 1905,435 1905,280 1640,280 1640,-30 1665,-30 1665,-224.94 1090,-224.94 1090,-70 1000,-70 1000,-270 30,-270
MCU_PWR_BUS_3.3 on Bottom Layer "Bottom Layer-MCU_PWR_BUS_3.3" (solid, pour order 98): 170,170 170,29.57 105,29.57 105,-35 295,-35 295,169.83 275,169.83
MCU_PWR on Bottom Layer "Bottom Layer-MCU_PWR" (solid, pour order 96): 820,-45 545,-45 545,-120 825,-120
MCU_PWR on Bottom Layer "Bottom Layer-MCU_PWR 1" (solid, pour order 94): 815,-120 890,-120 890,455 310,455 310,-65 400,-65 400,390 815,390 815,-75
PWR_BUS_5 on Bottom Layer "Bottom Layer-PWR_BUS_5 2" (solid, pour order 86): -240,-160 -240,-305 -15,-305 -15,100.36 75,100.36 75,55 15,55 15,20 75,20 75,-30 50,-30 50,-360 -285,-360 -285,-160
VIN on Bottom Layer "Bottom Layer-VIN" (solid, pour order 84): -495,-25.2 -495,-270 -335,-270 -335,-120 -15,-120 -15,348.27 -110,348.27 -110,-25 -190,-25
AGND on Bottom Layer "Bottom Layer-AGND" (solid, remove dead copper, pour order 74): -525,790.14 -525,-790 -1980,-790 -1980,800
AGND on Bottom Layer "Bottom Layer-AGND 1" (solid, pour order 80): -1490,561.09 -1205,561.09 -1205,145 -1505,145 -1505,560.98
VBRIDGE on Bottom Layer "Bottom Layer-VBRIDGE" (solid, pour order 56): -1675,540.04 -1675,179.88 -1910,179.88 -1910,-522.36 -1705,-522.36 -1705,-15 -975,-15 -975,-525 -775,-525 -775,175 -1016.35,175 -1016.35,550 -1664.76,550 -1664.76,540.04
AGND on Bottom Layer "Bottom Layer-AGND 2" (solid, remove dead copper, pour order 58): -1765.24,-9.72 -1765.24,-784.43 -825.5,-784.43 -825.5,-9.72
M_L+ on Bottom Layer "Bottom Layer-M_L+" (solid, pour order 24): -1215,-415 -999.25,-415 -999.25,-537.24 -780.49,-537.24 -780.49,-790 -1215,-790
no net on Bottom Layer "Bottom Layer-No Net 1" (solid, pour order 20): -1230,-402.01
M_L- on Bottom Layer "Bottom Layer-M_L-" (solid, pour order 18): -1690,-415 -1690,-540 -1855,-540 -1855,-790 -1460,-790 -1460,-415
M_R+ on Bottom Layer "Bottom Layer-M_R+" (solid, pour order 16): -1220,785 -1220,565 -999.25,565 -999.25,454 -775,454 -775,785
M_R- on Bottom Layer "Bottom Layer-M_R-" (solid, pour order 14): -1935,445.63 -1935,790 -1525,790 -1525,552.99 -1690,552.99 -1690,445 -1760,445

## Keep-outs
Keep-Out Layer:
  lines w10: -1970,-740 ccw(c-1920,-740) -1920,-790 1920,-790 ccw(c1920,-740) 1970,-740 1970,740 ccw(c1920,740) 1920,790 -1920,790 ccw(c-1920,740) -1970,740 -1970,515 -1970,-740

## Silkscreen, mask and mechanical layers (free items; w line width, h text height)
Top Overlay:
  text "Intel Core i9 9900K" at 250,170 h80
  text "主板" at -309.92,60 h80
  text "驱动" at -855,-70 h80
Bottom Overlay:
  text "LRA03-190915" at 1940,-710 h60
Top Solder:
  rectangle: -720,585 -450,774.71
  text "TerayTech" at -510,-705 h60
  text "杭电信工智能车" at 570,-715 h60
Bottom Solder:
  rectangle: -757.79,625 -450,774.71
  lines w30: -540,-36.16 -540,195
Mechanical 1:
  lines w10: 1411.5,-787.4 1411.5,787.4

## Text inside footprints (layer, text, board x,y; h text height)
JP2: Top Overlay "1" at 1950,445 h50 r90; Top Overlay "2" at 1735,450 h50 r90; Top Overlay "5" at 1875,660 h50 r90; Top Overlay "6" at 1789.96,660 h50 r90
JP3: Top Overlay "1" at 1660,450 h50 r90; Top Overlay "2" at 1490,445 h50 r90; Top Overlay "5" at 1709.62,720 h50 r90; Top Overlay "6" at 1455,720 h50 r90
K2: Top Overlay "up" at 1685,207.24 h30